# Altium PCB Dental Support V200.PcbDoc (part 2 of 2)
Units mm, origin at the board's own origin, x right, y up, seen from the top; angles counter-clockwise.
Board outline 100 x 62.5 mm, 2 copper layers (Top Layer, Bottom Layer); 64 components, 58 nets, 227 pads, 93 vias.
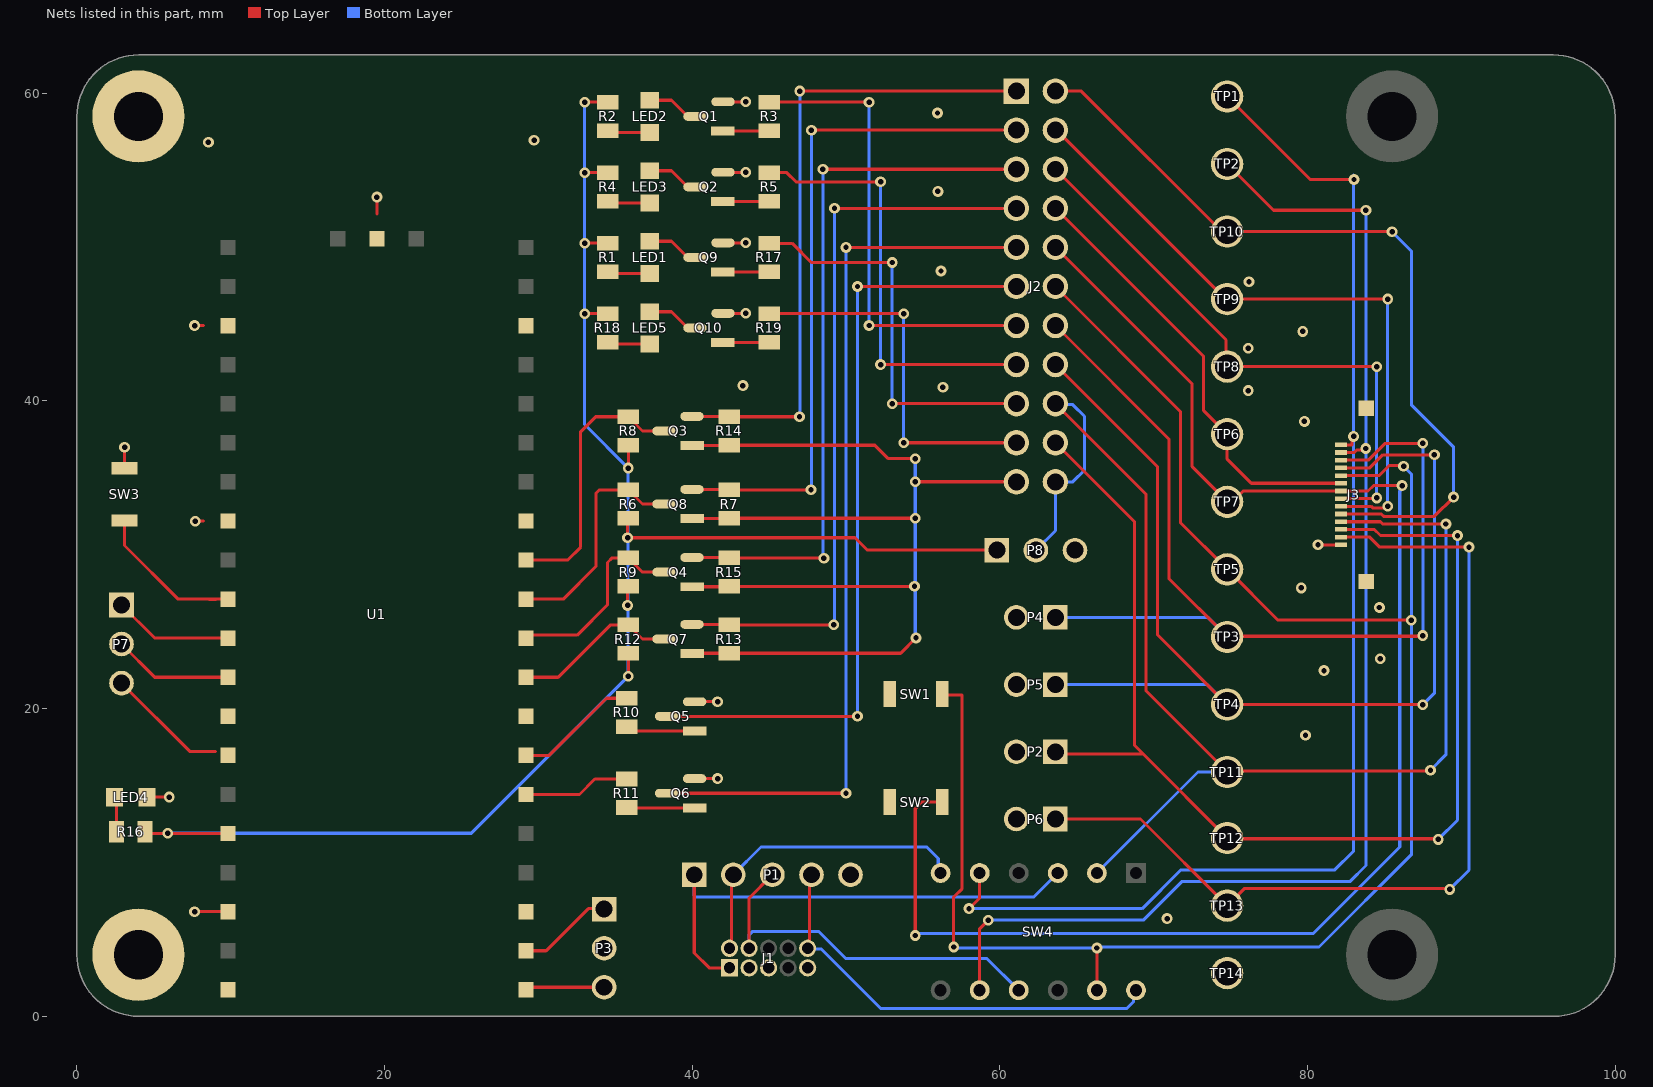
[diagram p2: the nets of this part, all layers, seen from the top]

## Part data
J1: library part CMP-02766-000059-1, "CONN HEADER VERT 10POS 1.27MM", Manufacturer=Samtec, Package=0, Temperature="-55°C to +125°C", Temperature Range High=+125°C, Temperature Range Low=-55°C, Automotive=No, Category=Conn, ComponentLink2Description=Datasheet, ComponentLink2URL=http://suddendocs.samtec.com/prints/shf-1xx-01-x-d-xx-xx-mkt.pdf, Conn Gender=Male, Conn Orientation=Vertical, Contact Material=Gold,Nickel, Device Class L1=Connectors, Device Class L2="Headers and Wire Housings", Device Class L3=unset, Digikey Description="CONN HEADER VERT 10POS 1.27MM", Footprint Url=http://suddendocs.samtec.com/prints/shf-1xx-01-x-d-xx-xx-footprint.pdf, Height=5.46mm, Lead Free=Yes, Manufacturer Part Number=SHF-105-01-L-D-TH, Mouser Description="Conn Shrouded Header (4 Sides) HDR 10 POS 1.27mm Solder ST Thru-Hole Tube", Number Of Contacts=10, Number of Rows=2, Octopart=https://octopart.com/shf-105-01-l-d-th-samtec-17904677, Pitch=1.27mm, RoHS=TRUE, Standoff Height=0.38mm
J2: library part CMP-1502-01108-1, "THT Vertical Pin Header WR-PHD, Pitch 2.54 mm, Dual Row, 22 pins", Contact Resistance=20mOhm, Manufacturer="Wurth Elektronik", Operating Temperature=-40to105degC, Rated Current=3A, Withstanding Voltage=500VAC, Working Voltage=250VAC, Datasheet URL=https://katalog.we-online.de/em/datasheet/6130xx21121.pdf, Gender=Male, Manufacturer URL=http://www.we-online.de, Mounting Technology=THT, Orientation=Vertical, Package Reference=61302221121, Packaging=Bag, Part Number=61302221121, Pin Number=22, Pitch=2.54mm, Publisher=WurthElektronik, Row Number=Dual
J3: library part CMP-1241-00360-1, "0.5 mm Pitch Easy-On(TM) Type FPC Connector, 2.0 mm Mated Height, Right Angle, ZIF, SMT, Top Contact, 14 Circuits, -20 to 85 degC, ELV and RoHS Compliant, Tape and Reel", Current (Max per Contact)=0.5A, Manufacturer=Molex, Voltage (Max)=50V, Circuits (Loaded)=14, ComponentLink1Description="Manufacturer URL", ComponentLink1URL=http://www.molex.com/molex/index.jsp, ComponentLink2Description=Datasheet, ComponentLink2URL=http://www.molex.com/webdocs/datasheets/pdf/en-us/0527451497_FFC_FPC_CONNECTORS.pdf, ComponentLink3Description="Package Specification", ComponentLink3URL=http://www.molex.com/pdm_docs/sd/527451497_sd.pdf, Contact Position=Top, Durability (mating cycles max)=20, Entry Angle="90degrees Angle", Mated Height=2.00mm, Material - Metal="Phosphor Bronze", Material - Plating Mating=Gold, Material - Plating Termination=Gold, Mounting Technology="Surface Mount", Number of Rows=1, Orientation="Right Angle", PackageDescription="14-Lead FPC Connector, Pitch 0.5 mm", PackageReference=52745-1497, PackageVersion="Rev. C, 07/2010", Packing="Tape and Reel", PartNumber=52745-1497, PCB Locator=No, PCB Retention=Yes, Pitch - Mating Interface=0.50mm, Polarized to PCB=Yes, RoHS=TRUE, Stackable=No
LED1 LED2 LED3 LED4 LED5: library part CMP-1426-00010-2, "LED RED CLEAR 0805 SMD", Case Code (Imperial)=0805, Case Code (Metric)=2012, Color=Red, Forward Current=30mA, Forward Voltage=1.9V, Lens Color=Colorless, Max Operating Temperature=85°C, Min Operating Temperature=-40°C, Package Quantity=1, Test Current=20mA, Case/Package=0805, Dominant Wavelength=630nm, Height=0.8mm, Length=2mm, Lens Size=1.25mm, Lens Style=Clear, Lens Transparency=Clear, Luminous Intensity=60mcd, Mount="Surface Mount", Packaging="Cut Tape", RoHS Compliant=Yes, Series=WL-SMCW, Viewing Angle=140°, Wavelength=630nm, Width=1.25mm
P1: library part CMP-1502-01068-1, "THT Vertical Pin Header WR-PHD, Pitch 2.54 mm, Single Row, 5 pins", Contact Resistance=20mOhm, Manufacturer="Wurth Elektronik", Operating Temperature=-40to105degC, Rated Current=3A, Withstanding Voltage=500VAC, Working Voltage=250VAC, Datasheet URL=https://katalog.we-online.de/em/datasheet/6130xx11121.pdf, Gender=Male, Manufacturer URL=http://www.we-online.de, Mounting Technology=THT, Orientation=Vertical, Package Reference=61300511121, Packaging=Bag, Part Number=61300511121, Pin Number=5, Pitch=2.54mm, Publisher=WurthElektronik, Row Number=Single
P2 P4 P5 P6: library part CMP-1712-00002-4, "THT Vertical Pin Header WR-PHD, Pitch 2.54 mm, Single Row, 2 pins", Contact Resistance=20mOhm, Manufacturer="Wurth Elektronik", Operating Temperature=-40to105degC, Rated Current=3A, Withstanding Voltage=500VAC, Working Voltage=250VAC, Datasheet URL=https://katalog.we-online.de/em/datasheet/6130xx11121.pdf, Gender=Male, Manufacturer URL=http://www.we-online.de, Mounting Technology=THT, Orientation=Vertical, Package Reference=61300211121, Packaging=Bag, Part Number=61300211121, Pin Number=2, Pitch=2.54mm, Publisher=WurthElektronik, Row Number=Single
P3 P7 P8: library part CMP-1502-01062-1, "THT Vertical Pin Header WR-PHD, Pitch 2.54 mm, Single Row, 3 pins", Contact Resistance=20mOhm, Manufacturer="Wurth Elektronik", Operating Temperature=-40to105degC, Rated Current=3A, Withstanding Voltage=500VAC, Working Voltage=250VAC, Datasheet URL=https://katalog.we-online.de/em/datasheet/6130xx11121.pdf, Gender=Male, Manufacturer URL=http://www.we-online.de, Mounting Technology=THT, Orientation=Vertical, Package Reference=61300311121, Packaging=Bag, Part Number=61300311121, Pin Number=3, Pitch=2.54mm, Publisher=WurthElektronik, Row Number=Single
Q1 Q2 Q3 Q4 Q5 Q6 Q7 Q8 Q9 Q10: library part CMP-07173-000101-1, "MOSFET N-CH 50V 220MA SOT-23", Case/Package=SOT-23, Continuous Drain Current (ID)=220mA, Drain to Source Breakdown Voltage=50V, Drain to Source Resistance=3.5R, Gate to Source Voltage (Vgs)=20V, Input Capacitance=27pF, Max Operating Temperature=150°C, Max Power Dissipation=360mW, Min Operating Temperature=-55°C, On-State Resistance=6R, Package Quantity=1, Threshold Voltage=1.3V, Contact Plating=Tin, Current Rating=220mA, Drain to Source Voltage (Vdss)=50V, Dual Supply Voltage=50V, Element Configuration=Single, Fall Time=9ns, Height=0.93mm, Lead Free="Lead Free", Length=2.92mm, Mount="Surface Mount", Nominal Vgs=1.3V, Number of Elements=1, Number of Pins=3, Packaging="Tape and Reel", Power Dissipation=360mW, Radiation Hardening=No, Rds On Max=3.5R, REACH SVHC="No SVHC", Rise Time=9ns, Termination=SMD/SMT, Turn-Off Delay Time=20ns, Turn-On Delay Time=2.5ns, Voltage Rating (DC)=50V, Weight=0.03g, Width=1.3mm
R1 R2 R4 R16 R18: library part ERJ-6ENF2001V, "RES SMD 2K OHM 1% 1/8W 0805", Digi-Key Part Number=P2.00KCCT-ND, Manufacturer="Panasonic Electronic Components", Operating Temperature="-55°C ~ 155°C", Package / Case="0805 (2012 Metric)", Power (Watts)="0.125W, 1/8W", Supplier Device Package=0805, Temperature Coefficient=±100ppm/°C, Tolerance=±1%, @ qty=1500, Composition="Thick Film", Datasheets=http://industrial.panasonic.com/www-cgi/jvcr13pz.cgi?E+PZ+3+AOA0002+ERJ6ENF2001V+7+WW, Factory Stock=0, Failure Rate=-, Features="Automotive AEC-Q200", Height - Seated (Max)="0.028\" (0.70mm)", Image=//media.digikey.com/Renders/Panasonic%20Renders/ERJ-0805%20Pkg.jpg, Minimum Quantity=1, Number of Terminations=2, Packaging="Cut Tape (CT)", Part Number=ERJ-6ENF2001V, Part Status=Active, Quantity Available=732688, Series=ERJ, Size / Dimension="0.079\" L x 0.049\" W (2.00mm x 1.25mm)", Unit Price (USD)=0.00729
R3 R5 R10 R11 R17 R19: library part ERJ-6ENF1000V, "RES SMD 100 OHM 1% 1/8W 0805", Digi-Key Part Number=P100CCT-ND, Manufacturer="Panasonic Electronic Components", Operating Temperature="-55°C ~ 155°C", Package / Case="0805 (2012 Metric)", Power (Watts)="0.125W, 1/8W", Supplier Device Package=0805, Temperature Coefficient=±100ppm/°C, Tolerance=±1%, @ qty=1500, Composition="Thick Film", Datasheets=http://industrial.panasonic.com/www-cgi/jvcr13pz.cgi?E+PZ+3+AOA0002+ERJ6ENF1000V+7+WW, Factory Stock=0, Failure Rate=-, Features="Automotive AEC-Q200", Height - Seated (Max)="0.028\" (0.70mm)", Image=//media.digikey.com/Renders/Panasonic%20Renders/ERJ-0805%20Pkg.jpg, Minimum Quantity=1, Number of Terminations=2, Packaging="Cut Tape (CT)", Part Number=ERJ-6ENF1000V, Part Status=Active, Quantity Available=288663, Series=ERJ, Size / Dimension="0.079\" L x 0.049\" W (2.00mm x 1.25mm)", Unit Price (USD)=0.00729
R6 R7 R8 R9 R12 R13 R14 R15: library part ERJ-6ENF1002V, "RES SMD 10K OHM 1% 1/8W 0805", Digi-Key Part Number=P10.0KCCT-ND, Manufacturer="Panasonic Electronic Components", Operating Temperature="-55°C ~ 155°C", Package / Case="0805 (2012 Metric)", Power (Watts)="0.125W, 1/8W", Supplier Device Package=0805, Temperature Coefficient=±100ppm/°C, Tolerance=±1%, @ qty=1500, Composition="Thick Film", Datasheets=http://industrial.panasonic.com/www-cgi/jvcr13pz.cgi?E+PZ+3+AOA0002+ERJ6ENF1002V+7+WW, Factory Stock=0, Failure Rate=-, Features="Automotive AEC-Q200", Height - Seated (Max)="0.028\" (0.70mm)", Image=//media.digikey.com/Renders/Panasonic%20Renders/ERJ-0805%20Pkg.jpg, Minimum Quantity=1, Number of Terminations=2, Packaging="Cut Tape (CT)", Part Number=ERJ-6ENF1002V, Part Status=Active, Quantity Available=3985614, Series=ERJ, Size / Dimension="0.079\" L x 0.049\" W (2.00mm x 1.25mm)", Unit Price (USD)=0.00729
SW1 SW2 SW3: library part CMP-2100-03586-2, "SWITCH TACTILE SPST-NO 0.05A 12V", Contact Current Rating=50mA, Contact Resistance=100mR, Insulation Resistance=100MR, Max Operating Temperature=70°C, Max Voltage Rating (DC)=12V, Min Operating Temperature=-25°C, Operating Force=1.5N, Package Quantity=1, Ratings="Dust Proof", Actuator Length=0.4mm, Actuator Type=Standard, Contact Material=Silver, Current Rating=50mA, Depth=2.5mm, Electrical Life=200000Cycles, Height=1.2mm, Illumination Type=Non-Illuminated, Lead Free="Lead Free", Length=4mm, Max Current Rating=50mA, Mechanical Life=200000Cycles, Mount="Surface Mount", Orientation=Straight, Packaging="Tape and Reel", Switch Function=Off-Mom, Switch Travel=0.15mm, Termination=SMD/SMT, Throw Configuration=SPST, Voltage Rating (DC)=12V, Weight=0.000776oz, Width=3mm
SW4: library part CMP-03405-000007-1, "Pushbutton Switch SPST-NO Keyswitch, Illuminated Through Hole", Actuator Color=Natural, Contact Current Rating=300mA, Contact Resistance=40mR, Flammability Rating="UL94 V-0", Max Operating Temperature=80°C, Max Voltage Rating (DC)=115V, Min Operating Temperature=-40°C, Actuator Material=Polyester, Actuator Type=SLIDE, Color=Natural, Contact Material="Copper Alloy", Contact Plating=Silver, Current Rating=300mA, Electrical Life=15000Cycles, Lead Free="Lead Free", Mount="Through Hole", Number of Poles=4, Number of Positions=2, Orientation=Vertical, Packaging=Rail/Tube, REACH SVHC="No SVHC", RoHS Compliant=Yes, Termination=Solder, Throw Configuration=4PDT, Voltage Rating (AC)=115V
TP1 TP2 TP3 TP4 TP5 TP6 TP7 TP8 TP9 TP10 TP11 TP12 TP13 TP14: library part CMP-1672-00003-4, "Test Point, Black, Through Hole, RoHS, Bulk", Colour=Black, Manufacturer=Keystone, Package Quantity=100, ComponentLink1Description="Manufacturer URL", ComponentLink1URL=http://www.keyelco.com/, ComponentLink2Description=Datasheet, ComponentLink2URL=http://www.keyelco.com/product-pdf.cfm?p=1320, Contact Material=Bronze, Contact Plating=Silver, DatasheetVersion="Rev. F, 12/2013", Height="8.12 mm", Mount="Through Hole", Mounting Technology="Through Hole", PackageDescription="1-Pin Through Hole Device, Dia 3.17 mm", PackageReference=5011, Packaging=Bulk, Pins=1, REACH SVHC="No SVHC", RoHSCompliant=true

## Free pads (board coordinates)
  round 6 hole 3.2: 2(4,4) 2(4,58.5) 2(85.5,4) 2(85.5,58.5)

## Via types
v1: diameter 0.7, hole 0.35, Top Layer to Bottom Layer, tented both sides, 93 vias

## Nets (pads, with @x,y where several pads share a name; then routed paths per layer and width w, separated by ;. In a path a pad name is that pad's centre, name@x,y a point inside that pad or via, vN(x,y) a via of type N, cw(c..) or ccw(c..) an arc to the next point about the centre after c; other vN are vias at no path point)
3V3: P8.1 R1.1 R2.1 R4.1 R6.2 R8.2 R9.2 R12.2 R16.1 R18.1 U1.36 | length 114.4
  Top Layer w0.2: R16.1@4.425,12 4.545,11.88 U1.36@9.82,11.88 U1.36@9.815,11.875 ; v1(33.01,45.675) R18.1@34.5,45.675 ; v1(33.01,50.258) R1.1@34.5,50.258 ; v1(33.01,54.842) R4.1@34.5,54.842 ; v1(33.01,59.425) R2.1@34.5,59.425 ; v1(35.8,26.71) R9.2@35.8,28.2 ; R6.2@35.8,32.6 v1(35.8,31.11) 50.59,31.11 51.399,30.301 P8.1@59.805,30.301 ; v1(35.85,22.11) R12.2@35.85,23.6 ; v1(35.85,35.635) R8.2@35.85,37.125
  Bottom Layer w0.2: v1(5.9,11.9) 25.64,11.9 v1(35.85,22.11) 35.825,22.135 35.825,31.085 v1(35.8,31.11) 35.825,31.135 35.825,35.61 v1(35.85,35.635) 33.01,38.475 v1(33.01,45.675) v1(33.01,50.258) v1(33.01,54.842) v1(33.01,59.425)
5V: U1.40
CS: J2.2 J3.5 TP10.1 | length 52.5
  Top Layer w0.2: J2.2@63.615,60.145 65.299,60.145 74.429,51.016 TP10.1@74.78,51.016 74.788,51.008 85.492,51.008 v1(85.5,51) ; J3.5@82.201,32.65 84.803,32.65 84.953,32.5 88.25,32.5 v1(89.5,33.75)
  Bottom Layer w0.2: v1(85.5,51) 86.75,49.75 86.75,39.75 89.5,37 v1(89.5,33.75)
GND: J1.3 J1.5 J1.9 J3.1 J3.MP1 J3.MP2 LED4.1 P1.5 P2.2 P3.2 P4.2 P5.2 P6.2 P8.3 pad.2@4,4 pad.2@4,58.5 Q1.2 Q2.2 Q5.2 Q6.2 Q9.2 Q10.2 SW1.1 SW2.1 SW3.1 TP14.1 U1.3 U1.8 U1.13 U1.18 U1.23 U1.28 U1.33 U1.38 U1.D2 | length 17.7
  Top Layer w0.2: SW3.1@3.1,35.625 v1(3.1,37) ; LED4.1@4.55,14.25 v1(6,14.25) ; v1@7.625,6.775 v1(7.65,6.8) U1.38@9.82,6.8 ; v1(7.65,44.9) 8.22,44.9 ; v1(7.7,32.175) 7.725,32.2 8.22,32.2 ; 19.51,52.15 v1@19.51,53.259 ; Q6.2@40.16,15.45 v1(41.65,15.45) ; Q5.2@40.16,20.45 v1(41.65,20.45) ; Q10.2@42,45.7 v1(43.49,45.7) ; Q9.2@42,50.283 v1(43.49,50.283) ; Q2.2@42,54.867 v1(43.49,54.867) ; Q1.2@42,59.45 v1(43.49,59.45) ; v1(80.687,30.65) J3.1@82.176,30.65 ; J3.1@82.189,30.663 J3.1@82.201,30.65
  other v1: 70.875,6.35 79.875,18.275 81.075,22.475 84.725,23.25 84.675,26.575 79.6,27.85 79.8,38.675 76.15,40.675 56.3,40.9 43.3,41 76.15,43.425 79.7,44.525 76.2,47.75 56.175,48.45 19.505,53.255 55.975,53.625 8.55,56.825 29.725,56.95 55.95,58.725
LED1: J2.13 R3.1 | length 30.4
  Top Layer w0.2: R3.1@45,59.425 v1(51.5,59.425) ; v1(51.5,44.905) J2.13@61.075,44.905
  Bottom Layer w0.2: v1(51.5,44.905) v1@51.5,59.25
LED2: J2.15 R5.1 | length 28.2
  Top Layer w0.2: R5.1@45,54.842 46.158,54.842 46.75,54.25 v1(52.25,54.25) ; v1(52.25,42.365) J2.15@61.075,42.365
  Bottom Layer w0.2: v1(52.25,42.365) v1(52.25,54.25)
LED3: J2.17 R17.1 | length 25.8
  Top Layer w0.2: R17.1@44.954,50.25 46.5,50.25 47.75,49 v1(53,49) ; v1(53,39.825) J2.17@61.075,39.825
  Bottom Layer w0.2: v1(53,39.825) v1(53,49)
LED4: J2.19 R19.1 | length 24.5
  Top Layer w0.2: R19.1@45.25,45.675 v1(53.75,45.675) ; v1(53.75,37.285) J2.19@61.075,37.285
  Bottom Layer w0.2: v1(53.75,37.285) v1(53.75,45.675) ; J2.19@60.86,37.5 J2.19@61.075,37.285
MISO: J2.4 J3.6 TP9.1 | length 42.8
  Top Layer w0.2: J2.4@63.615,57.605 63.707,57.605 74.688,46.624 TP9.1@74.78,46.624 v1(85.225,46.624) ; J3.6@82.176,33.15 84.141,33.15 84.241,33.05 84.987,33.05 85.087,33.15 v1(85.222,33.15)
  Bottom Layer w0.2: v1@85.2,33.128 v1(85.222,33.15) ; v1@85.2,33.15 v1@85.2,46.624
MOSI: J2.6 J3.7 TP8.1 | length 38
  Top Layer w0.2: J2.6@63.615,55.065 74.706,43.974 74.706,42.306 TP8.1@74.78,42.232 v1(84.5,42.232) ; J3.7@82.189,33.663 82.201,33.65 84.46,33.65 v1(84.51,33.7)
  Bottom Layer w0.2: v1@84.5,33.69 v1(84.51,33.7) ; v1@84.5,33.8 v1(84.5,42.232)
NetLED1_1: LED1.1 Q9.3 | length 3.4
  Top Layer w0.2: LED1.1@37.25,50.383 38.657,50.383 39.707,49.333 Q9.3@40.18,49.333
NetLED1_2: LED1.2 R1.2 | length 2.8
  Top Layer w0.2: R1.2@34.5,48.408 34.625,48.283 LED1.2@37.25,48.283
NetLED2_1: LED2.1 Q1.3 | length 3.4
  Top Layer w0.2: LED2.1@37.25,59.55 38.657,59.55 39.707,58.5 Q1.3@40.18,58.5
NetLED2_2: LED2.2 R2.2 | length 2.8
  Top Layer w0.2: R2.2@34.5,57.575 34.625,57.45 LED2.2@37.25,57.45
NetLED3_1: LED3.1 Q2.3 | length 3.4
  Top Layer w0.2: LED3.1@37.25,54.967 38.657,54.967 39.707,53.917 Q2.3@40.18,53.917
NetLED3_2: LED3.2 R4.2 | length 2.8
  Top Layer w0.2: R4.2@34.5,52.992 34.625,52.867 LED3.2@37.25,52.867
NetLED4_2: LED4.2 R16.2 | length 2.3
  Top Layer w0.2: LED4.2@2.45,14.25 2.575,14.125 R16.2@2.575,12
NetLED5_1: LED5.1 Q10.3 | length 3.4
  Top Layer w0.2: LED5.1@37.25,45.8 38.657,45.8 39.707,44.75 Q10.3@40.18,44.75
NetLED5_2: LED5.2 R18.2 | length 2.8
  Top Layer w0.2: R18.2@34.5,43.825 34.625,43.7 LED5.2@37.25,43.7
NetP3_1: P3.1 U1.2 | length 6.7
  Top Layer w0.2: U1.2@29.2,4.26 30.51,4.26 33.25,7 P3.1@34.75,7
NetP3_3: P3.3 U1.1 | length 5.1
  Top Layer w0.2: U1.1@29.2,1.72 29.365,1.885 P3.3@34.275,1.885
NetP7_1: P7.1 U1.31 | length 7.8
  Top Layer w0.2: P7.1@2.9,26.74 5.04,24.6 U1.31@9.82,24.6
NetP7_2: P7.2 U1.32 | length 7.8
  Top Layer w0.2: P7.2@2.9,24.2 5.06,22.04 U1.32@9.82,22.04
NetP7_3: P7.3 U1.34 | length 7.9
  Top Layer w0.2: P7.3@2.9,21.66 7.36,17.2 9,17.2
NetQ1_1: Q1.1 R3.2 | length 3.1
  Top Layer w0.2: Q1.1@42,57.55 R3.2@44.934,57.55 ; R3.2@45,57.484 R3.2@44.934,57.55 ; R3.2@45,57.575 44.975,57.55 R3.2@44.934,57.55
NetQ2_1: Q2.1 R5.2 | length 3
  Top Layer w0.2: Q2.1@42,52.967 44.975,52.967 R5.2@45,52.992
NetQ5_1: Q5.1 R10.2 | length 4.5
  Top Layer w0.2: R10.2@35.776,18.585 35.75,18.559 35.759,18.55 Q5.1@40.16,18.55
NetQ6_1: Q6.1 R11.2 | length 4.4
  Top Layer w0.2: R11.2@35.75,13.484 R11.2@35.756,13.49 ; R11.2@35.75,13.575 35.775,13.55 Q6.1@40.16,13.55
NetQ9_1: Q9.1 R17.2 | length 3
  Top Layer w0.2: Q9.1@42,48.383 44.975,48.383 R17.2@45,48.408
NetQ10_1: Q10.1 R19.2 | length 3
  Top Layer w0.2: Q10.1@42,43.8 44.975,43.8 R19.2@45,43.825
NetSW3_2: SW3.2 U1.30 | length 10.2
  Top Layer w0.2: SW3.2@3.1,32.225 3.1,30.6 6.58,27.12 U1.30@9.82,27.12 ; 8.575,27.1 9.025,27.1
P+: J3.2 P6.1 TP13.1 | length 59.8
  Top Layer w0.2: P6.1@63.615,12.825 69.147,12.825 TP13.1@74.78,7.192 75.888,8.3 89.2,8.3 v1(89.25,8.25) ; J3.2@82.176,31.15 84.05,31.15 84.7,30.5 v1(90.5,30.5)
  Bottom Layer w0.2: v1(89.25,8.25) 90.5,9.5 v1(90.5,30.5)
P_RESET: R10.1 U1.7 | length 8.1
  Top Layer w0.2: U1.7@29.2,16.96 30.71,16.96 34.425,20.675 R10.1@35.75,20.675
P_WAKE_UP: R11.1 U1.6 | length 7.2
  Top Layer w0.2: U1.6@29.2,14.42 32.67,14.42 33.675,15.425 R11.1@35.659,15.425 ; R11.1@35.588,15.354 R11.1@35.659,15.425 ; R11.1@35.75,15.425 R11.1@35.659,15.425 ; R11.1@35.75,15.516 R11.1@35.659,15.425
PI_CS: Q3.3 R8.1 U1.12 | length 17.6
  Top Layer w0.2: U1.12@29.2,29.66 31.91,29.66 32.75,30.5 32.75,38 33.725,38.975 R8.1@35.85,38.975 36.775,38.05 Q3.3@38.172,38.05
PI_MISO: Q8.3 R6.1 U1.11 | length 15.1
  Top Layer w0.2: U1.11@29.2,27.12 31.62,27.12 33.75,29.25 33.75,34 33.975,34.225 R6.1@35.85,34.225 36.775,33.3 Q8.3@38.172,33.3
PI_MOSI: Q4.3 R9.1 U1.10 | length 13.1
  Top Layer w0.2: U1.10@29.2,24.58 29.395,24.775 32.525,24.775 34.5,26.75 34.5,29.5 34.8,29.8 R9.1@35.85,29.8 36.775,28.875 Q4.3@38.172,28.875
PI_SCLK: Q7.3 R12.1 U1.9 | length 10.8
  Top Layer w0.2: U1.9@29.2,22.04 31.29,22.04 34.7,25.45 R12.1@35.85,25.45 36.775,24.525 Q7.3@38.172,24.525
RESET: J2.12 J3.10 SW1.2 SW4.11 TP5.1 | length 119
  Top Layer w0.2: SW1.2@56.375,20.9 57.55,20.9 57.55,8.3 57,7.75 v1(57,4.5) ; J2.12@63.615,47.445 71.75,39.31 71.75,32.085 TP5.1@74.78,29.055 78.085,25.75 v1(86.75,25.75) ; SW4.11@66.31,1.69 v1(66.31,4.44) ; J3.10@82.176,35.15 84.65,35.15 85.3,35.8 86.2,35.8 v1(86.25,35.75)
  Bottom Layer w0.2: v1@57,4.44 v1(66.31,4.44) ; v1@66.31,4.383 66.427,4.5 80.75,4.5 86.75,10.5 86.75,35.25 v1(86.25,35.75)
S_CS: J2.1 Q3.2 R14.1 | length 42.2
  Top Layer w0.2: Q3.2@39.992,39 42.375,39 R14.1@42.4,38.975 v1(46.975,38.975) ; v1(47,60.145) J2.1@61.075,60.145
  Bottom Layer w0.2: v1@47,38.975 v1(47,60.145)
S_MISO: J2.3 Q8.2 R7.1 | length 44.4
  Top Layer w0.2: Q8.2@39.992,34.25 42.375,34.25 R7.1@42.4,34.225 v1(47.725,34.225) ; v1(47.75,57.605) J2.3@61.075,57.605
  Bottom Layer w0.2: v1@47.75,34.225 v1(47.75,57.605)
S_MOSI: J2.5 Q4.2 R15.1 | length 46.4
  Top Layer w0.2: Q4.2@39.992,29.825 42.375,29.825 R15.1@42.4,29.8 v1@48.5,29.8 ; v1(48.5,55.065) J2.5@61.075,55.065
  Bottom Layer w0.2: v1@48.5,29.784 v1(48.5,55.065)
  other v1: 48.562,29.784
S_RESET: J2.11 Q5.3 | length 50.7
  Top Layer w0.2: Q5.3@38.34,19.5 v1(50.75,19.5) ; v1(50.75,47.445) J2.11@61.075,47.445
  Bottom Layer w0.2: v1(50.75,19.5) v1(50.75,47.445)
S_SCLK: J2.7 Q7.2 R13.1 | length 48.1
  Top Layer w0.2: Q7.2@39.992,25.475 42.375,25.475 R13.1@42.4,25.45 v1(49.2,25.45) ; v1(49.25,52.525) J2.7@61.075,52.525
  Bottom Layer w0.2: v1@49.25,25.45 v1(49.25,52.525)
S_VDDBAT: J2.21 Q3.1 Q4.1 Q7.1 Q8.1 R7.2 R13.2 R14.2 R15.2 | length 76.7
  Top Layer w0.2: Q4.1@39.992,27.925 42.375,27.925 R15.2@42.4,27.95 v1(54.45,27.95) ; Q8.1@39.992,32.35 42.375,32.35 R7.2@42.4,32.375 v1(54.5,32.375) ; Q3.1@39.992,37.1 42.375,37.1 R14.2@42.4,37.125 51.875,37.125 52.75,36.25 v1(54.5,36.25) ; Q7.1@40.4,23.6 53.55,23.6 v1(54.55,24.6) ; v1(54.5,34.75) 54.503,34.747 61.072,34.747 J2.21@61.075,34.745
  Bottom Layer w0.2: v1(54.5,36.25) 54.5,35.814 v1(54.5,34.75) v1(54.5,32.375) 54.5,24.65 v1(54.55,24.6)
S_WAKE_UP: J2.9 Q6.3 | length 58.2
  Top Layer w0.2: Q6.3@38.34,14.5 v1(50,14.5) ; v1(50,49.985) J2.9@61.075,49.985
  Bottom Layer w0.2: v1(50,14.5) v1(50,49.985)
SCLK: J2.8 J3.9 TP6.1 | length 29
  Top Layer w0.2: J2.8@63.615,52.525 73.25,42.89 73.25,39.369 TP6.1@74.78,37.839 74.78,36.22 76.35,34.65 J3.9@82.176,34.65
SW_RESET: J1.10 P1.4 SW4.12 | length 28.7
  Top Layer w0.2: J1.10@47.51,4.42 47.632,4.542 47.632,9.077 P1.4@47.755,9.2
  Bottom Layer w0.2: J1.10@47.51,4.42 47.55,4.38 48.37,4.38 52.25,0.5 68.25,0.5 68.677,0.927 68.677,1.517 SW4.12@68.85,1.69
SW_SWCLK: J1.4 P1.3 SW4.9 | length 25.5
  Top Layer w0.2: J1.4@43.7,4.42 43.7,7.685 P1.3@45.215,9.2
  Bottom Layer w0.2: J1.4@43.7,4.42 43.7,5.3 43.9,5.5 48.25,5.5 50,3.75 59.17,3.75 SW4.9@61.23,1.69
SW_SWDIO: J1.2 P1.2 SW4.6 | length 20.3
  Top Layer w0.2: J1.2@42.43,4.42 42.552,4.542 42.552,9.077 P1.2@42.675,9.2
  Bottom Layer w0.2: P1.2@42.675,9.2 44.475,11 55.25,11 55.995,10.255 55.995,9.465 SW4.6@56.15,9.31
SW_VDDBAT: J1.1 P1.1 SW4.3 | length 33.4
  Top Layer w0.2: P1.1@40.135,9.2 40.135,4.115 41.1,3.15 J1.1@42.43,3.15
  Bottom Layer w0.2: P1.1@40.135,9.2 40.135,7.867 40.252,7.75 62.21,7.75 SW4.3@63.77,9.31
SWCLK: J3.13 SW4.8 TP2.1 | length 85.4
  Top Layer w0.2: SW4.8@58.69,1.69 58.69,5.69 v1(59.25,6.25) ; TP2.1@74.78,55.408 77.788,52.4 v1(83.8,52.4) ; J3.13@82.176,36.65 83.04,36.65 83.204,36.814 83.695,36.814 v1(83.79,36.91)
  Bottom Layer w0.2: v1(59.25,6.25) 69.325,6.25 71.825,8.75 82.75,8.75 83.8,9.8 v1@83.8,36.9 ; v1(83.79,36.91) v1@83.8,36.9 ; v1(83.8,52.4) v1@83.8,36.9
SWDIO: J3.14 SW4.5 TP1.1 | length 84.9
  Top Layer w0.2: v1(58,7) 58.69,7.69 SW4.5@58.69,9.31 ; TP1.1@74.78,59.8 80.18,54.4 v1(83.025,54.4) ; J3.14@82.176,37.15 82.883,37.15 82.904,37.171 82.904,37.604 v1(83,37.7)
  Bottom Layer w0.2: v1(58,7) 69.25,7 71.75,9.5 81.75,9.5 83,10.75 v1(83,37.7) v1@83,54.7
VACC: J2.14 J3.12 P4.1 TP3.1 | length 67.6
  Top Layer w0.2: J2.14@63.615,44.905 71,37.52 71,28.443 TP3.1@74.78,24.663 74.824,24.706 87.456,24.706 v1(87.5,24.75) ; J3.12@82.176,36.15 83.95,36.15 85.05,37.25 v1(87.5,37.25)
  Bottom Layer w0.2: P4.1@63.615,25.932 73.511,25.932 TP3.1@74.78,24.663 ; v1(87.5,24.75) v1(87.5,37.25)
VDDBAT: J2.18 J2.22 J3.4 P8.2 SW4.2 TP11.1 | length 89.2
  Top Layer w0.2: J2.18@63.615,39.825 69.5,33.94 69.5,21.159 TP11.1@74.78,15.879 74.841,15.939 87.939,15.939 v1(88,16) ; J3.4@82.176,32.15 84.737,32.15 84.887,32 v1(89,32)
  Bottom Layer w0.2: P8.2@62.345,30.301 63.615,31.571 J2.22@63.615,34.745 64.745,34.745 65.5,35.5 65.5,39 64.74,39.76 63.68,39.76 J2.18@63.615,39.825 ; SW4.2@66.31,9.31 72.879,15.879 TP11.1@74.78,15.879 ; v1(88,16) 89,17 v1(89,32)
VMEM: J2.16 J3.11 P5.1 TP4.1 | length 74.1
  Top Layer w0.2: J2.16@63.615,42.365 70.25,35.73 70.25,24.801 74.79,20.26 87.49,20.26 v1(87.5,20.25) ; J3.11@82.176,35.65 84.05,35.65 84.9,36.5 v1(88.25,36.5)
  Bottom Layer w0.2: P5.1@63.615,21.563 73.488,21.563 TP4.1@74.78,20.271 ; v1(87.5,20.25) 88.25,21 v1(88.25,36.5)
VSTORE: J2.20 J3.3 P2.1 TP12.1 | length 77.8
  Top Layer w0.2: P2.1@63.615,17.194 63.752,17.057 69.307,17.057 ; J2.20@63.615,37.285 68.75,32.15 68.75,17.614 69.307,17.057 ; J3.3@82.201,31.65 84.35,31.65 84.75,31.25 v1(89.75,31.25) ; v1(88.5,11.5) 88.458,11.542 74.822,11.542 69.307,17.057
  Bottom Layer w0.2: v1(88.5,11.5) 89.75,12.75 v1(89.75,31.25)
WAKE_UP: J2.10 J3.8 SW2.2 TP7.1 | length 100.5
  Top Layer w0.2: v1(54.5,5.25) 54.5,13.5 54.925,13.925 SW2.2@56.25,13.925 ; J2.10@63.615,49.985 72.5,41.1 72.5,35.727 TP7.1@74.78,33.447 75.118,33.447 75.821,34.15 J3.8@82.176,34.15 83.941,34.15 84.291,34.5 v1(86.15,34.5)
  Bottom Layer w0.2: v1@54.5,5.384 80.384,5.384 86,11 86,34.133 86.054,34.187 86.054,34.404 v1(86.15,34.5)
pads on no net: J1.6 J1.7 J1.8 SW4.1 SW4.4 SW4.7 SW4.10 U1.4 U1.5 U1.14 U1.15 U1.16 U1.17 U1.19 U1.20 U1.21 U1.22 U1.24 U1.25 U1.26 U1.27 U1.29 U1.35 U1.37 U1.39 U1.D1 U1.D3

## Polygon pours and split planes (outlines as drawn)
GND on Top Layer "GND_L01_P001" (solid, remove dead copper, pour order 1): 0,0 0,62.5 100,62.5 100,0
GND on Bottom Layer "GND_L02_P002" (solid, remove dead copper, pour order 2): 0,0 0,62.5 100,62.5 100,0

## Keep-outs
Top Layer:
  region: 100,62.5 78.125,62.5 78.125,51.338 ccw(c82.865,51.338) 79.513,47.987 84.397,43.103 cw(c80.83,39.535) 85.875,39.535 85.875,23.892 cw(c82.272,23.892) 84.82,21.345 78.846,15.371 ccw(c80.587,13.63) 78.125,13.63 78.125,-0.25 100,-0.25
Bottom Layer:
  region: 100,62.5 78.125,62.5 78.125,51.338 ccw(c82.865,51.338) 79.513,47.987 84.397,43.103 cw(c80.83,39.535) 85.875,39.535 85.875,23.892 cw(c82.272,23.892) 84.82,21.345 78.846,15.371 ccw(c80.587,13.63) 78.125,13.63 78.125,-0.25 100,-0.25

## Other copper
Top Layer:
  pour cut-out: 11.55,60.9 11.55,56.05 ccw(c12.025,56.05) 12.025,55.575 24.992,55.575 ccw(c24.992,56.308) 25.725,56.308 25.725,60.875 ccw(c25.275,60.875) 25.275,61.325 11.975,61.325 ccw(c11.975,60.9)
  region: 12.66,57.101 12.66,58.134 12.651,58.134 12.651,58.144 11.85,58.144 11.85,58.153 11.841,58.153 11.841,58.172 11.85,58.172 11.85,58.628 11.841,58.628 11.841,58.637 11.85,58.637 11.85,58.656 14.196,58.656 14.196,58.144 13.395,58.144 13.395,58.134 13.386,58.134 13.386,56.04 12.66,56.04 12.66,57.092
  region: 25.01,58.32 25.01,57.864 25.02,57.864 25.02,57.855 25.438,57.855 25.438,57.622 25.429,57.622 25.429,57.613 25.01,57.613 25.01,56.413 25.02,56.413 25.02,56.366 25.029,56.366 25.029,56.347 25.038,56.347 25.038,56.338 25.047,56.338 25.047,56.32 25.057,56.32 25.057,56.31 25.066,56.31 25.066,56.301 25.085,56.301 25.085,56.292 25.094,56.292 25.094,56.282 25.113,56.282 25.113,56.273 25.131,56.273 25.131,56.264 25.168,56.264 25.168,56.254 25.224,56.254 25.224,56.245 25.252,56.245 25.252,56.254 25.345,56.254 25.345,56.264 25.392,56.264 25.392,56.273 25.42,56.273 25.42,56.003 25.382,56.003 25.382,55.994 25.308,55.994 25.308,55.984 25.047,55.984 25.047,55.994 24.973,55.994 24.973,56.003 24.936,56.003 24.936,56.012 24.899,56.012 24.899,56.022 24.871,56.022 24.871,56.031 24.852,56.031 24.852,56.04 24.833,56.04 24.833,56.05 24.815,56.05 24.815,56.059 24.796,56.059 24.796,56.068 24.787,56.068 24.787,56.078 24.768,56.078 24.768,56.087 24.759,56.087 24.759,56.096 24.75,56.096 24.75,56.105 24.74,56.105 24.74,56.124 24.731,56.124 24.731,56.133 24.722,56.133 24.722,56.152 24.712,56.152 24.712,56.161 24.703,56.161 24.703,56.18 24.694,56.18 24.694,56.208 24.684,56.208 24.684,56.236 24.675,56.236 24.675,56.292 24.666,56.292 24.666,57.604 24.657,57.604 24.657,57.613 24.349,57.613 24.349,57.855 24.657,57.855 24.657,57.864 24.666,57.864 24.666,58.246 24.684,58.246 24.684,58.255 24.712,58.255 24.712,58.265 24.74,58.265 24.74,58.274 24.768,58.274 24.768,58.283 24.805,58.283 24.805,58.293 24.833,58.293 24.833,58.302 24.861,58.302 24.861,58.311 24.889,58.311 24.889,58.32 24.917,58.32 24.917,58.33 24.954,58.33 24.954,58.339 24.982,58.339 24.982,58.348 25.01,58.348 25.01,58.33
  region: 495 vertices and 1 holes, not listed, extent 20.245,55.984 21.892,57.911
  region: 22.311,58.516 22.311,58.656 22.656,58.656 22.656,56.04 22.311,56.04 22.311,58.507
  region: 301 vertices and 1 holes, not listed, extent 17.77,56.04 19.91,58.656
  region net GND: 1200 vertices and 0 holes, not listed, extent 12.558,58.814 15.033,61.261
  region: 396 vertices and 0 holes, not listed, extent 14.549,55.994 17.034,58.646
  region: 23.382,56.189 23.382,57.613 23.037,57.613 23.037,57.855 23.372,57.855 23.372,57.864 23.382,57.864 23.382,58.227 23.391,58.227 23.391,58.302 23.4,58.302 23.4,58.348 23.409,58.348 23.409,58.386 23.419,58.386 23.419,58.404 23.428,58.404 23.428,58.432 23.437,58.432 23.437,58.451 23.447,58.451 23.447,58.46 23.456,58.46 23.456,58.479 23.465,58.479 23.465,58.497 23.475,58.497 23.475,58.507 23.484,58.507 23.484,58.525 23.493,58.525 23.493,58.535 23.503,58.535 23.503,58.544 23.512,58.544 23.512,58.553 23.521,58.553 23.521,58.562 23.53,58.562 23.53,58.572 23.54,58.572 23.54,58.581 23.558,58.581 23.558,58.59 23.568,58.59 23.568,58.6 23.577,58.6 23.577,58.609 23.596,58.609 23.596,58.618 23.605,58.618 23.605,58.628 23.623,58.628 23.623,58.637 23.642,58.637 23.642,58.646 23.661,58.646 23.661,58.656 23.689,58.656 23.689,58.665 23.707,58.665 23.707,58.674 23.735,58.674 23.735,58.683 23.772,58.683 23.772,58.693 23.81,58.693 23.81,58.702 24.089,58.702 24.089,58.693 24.126,58.693 24.126,58.683 24.173,58.683 24.173,58.674 24.201,58.674 24.201,58.665 24.21,58.665 24.21,58.395 24.201,58.395 24.201,58.386 24.098,58.386 24.098,58.395 23.959,58.395 23.959,58.386 23.893,58.386 23.893,58.376 23.856,58.376 23.856,58.367 23.838,58.367 23.838,58.358 23.819,58.358 23.819,58.348 23.8,58.348 23.8,58.339 23.791,58.339 23.791,58.33 23.782,58.33 23.782,58.311 23.772,58.311 23.772,58.302 23.763,58.302 23.763,58.283 23.754,58.283 23.754,58.255 23.744,58.255 23.744,58.218 23.735,58.218 23.735,57.864 23.744,57.864 23.744,57.855 24.154,57.855 24.154,57.613 23.735,57.613 23.735,56.04 23.382,56.04 23.382,56.18

## Silkscreen, mask and mechanical layers (free items; w line width, h text height)
Top Overlay:
  drawing of 91 lines, arcs and shapes, not listed
  text "CS" at 66.342,59.375 h0.8 r90
  text "SWDIO" at 78.175,57.607 h1.25 r90
  text "MISO" at 66.342,56.625 h0.8 r90
  text "MOSI" at 66.342,54.225 h0.8 r90
  text "SWCLK" at 78.175,53.215 h1.25 r90
  text "SCLK" at 66.342,51.7 h0.8 r90
  text "-SENSOR" at 95.325,49.959 h2 r90
  text "V200" at 96.425,49.934 h1 r90
  text "WAKE" at 66.342,48.875 h0.8 r90
  text "CS" at 78.175,48.823 h1.25 r90
  text "RESET" at 66.342,45.85 h0.8 r90
  text "MISO" at 78.175,44.423 h1.25 r90
  text "VACC" at 66.342,43.463 h0.8 r90
  text "VMEM" at 66.342,40.923 h0.8 r90
  text "e" at 1.25,40.025 h8
  text "MOSI" at 78.175,40.031 h1.25 r90
  text "VDD" at 66.342,38.383 h0.8 r90
  text "STORE" at 66.342,35.821 h0.8 r90
  text "SCLK" at 78.175,35.639 h1.25 r90
  text "VDD" at 66.342,33.303 h0.8 r90
  text "WAKE" at 78.175,31.255 h1.25 r90
  text "3V3 VDD GND" at 58.325,27.65 h1.25
  text "RESET" at 78.175,26.863 h1.25 r90
  text "ACC" at 66.342,24.49 h1 r90
  text "RESET" at 51.825,22.725 h1.25
  text "VACC" at 78.175,22.47 h1.25 r90
  text "MEM" at 66.342,20.121 h1 r90
  text "VMEM" at 78.175,18.078 h1.25 r90
  text "WAKE UP" at 51.825,15.7 h1.25
  text "3V3" at 2.038,15.5 h1.25
  text "STORE" at 66.342,15.475 h1 r90
  text "VDD" at 78.175,13.678 h1.25 r90
  text "P+" at 66.342,11.383 h1 r90
  text "STORE" at 78.175,9.286 h1.25 r90
  text "P+" at 78.175,4.992 h1.25 r90
  text "SWD" at 38.5,1.075 h1.25 r90
  text "GND" at 78.175,0.468 h1.25 r90
Top Solder:
  region: 11.55,56.049 11.55,60.9 cw(c11.975,60.9) 11.975,61.325 25.275,61.325 cw(c25.275,60.875) 25.725,60.875 25.725,56.326 cw(c24.998,56.325) 24.999,55.599 12.024,55.576 cw(c12.024,56.049)
Mechanical 1:
  lines w0.5: 0,58.4 0,4.013 ccw(c4.013,4.013) 4.013,0 96.019,0 ccw(c96.019,3.981) 100,3.981 100,58.487 ccw(c95.987,58.487) 95.987,62.5 4.2,62.5 ; 0,58.487 cw(c4.013,58.487) 4.013,62.5 ; 82.1,62.5 95.4,62.5
Board Outline:
  lines w0.5: 0,58.4 0,4.013 ccw(c4.013,4.013) 4.013,0 96.019,0 ccw(c96.019,3.981) 100,3.981 100,58.487 ccw(c95.987,58.487) 95.987,62.5 4.2,62.5 ; 0,58.487 cw(c4.013,58.487) 4.013,62.5 ; 82.1,62.5 95.4,62.5
Drill Drawing:
  circle w0.254: c106.156,33.89 r0.847
  lines w0.254: 105.309,36.854 107.003,36.854 107.003,38.547 105.309,38.547 105.309,36.854 ; 105.309,41.087 105.733,41.087 106.156,40.664 106.579,41.087 107.003,41.087 106.579,41.51 107.003,41.933 106.579,41.933 106.156,42.357 105.733,41.933 105.309,41.933 105.733,41.51 105.309,41.087 ; 105.309,46.167 107.003,46.167 106.156,44.474 105.309,46.167 ; 105.309,48.284 106.156,48.707 107.003,48.284 106.579,49.13 107.003,49.977 106.156,49.553 105.309,49.977 105.733,49.13 105.309,48.284 ; 105.309,52.517 105.733,52.517 105.733,52.094 106.579,52.094 106.579,52.517 107.003,52.517 107.003,53.363 106.579,53.363 106.579,53.787 105.733,53.787 105.733,53.363 105.309,53.363 105.309,52.517
  lines w0.381: 103.791,31.901 267.119,31.901 ; 103.791,54.761 267.119,54.761 ; 117.783,28.091 117.783,58.571 ; 132.765,28.091 132.765,58.571 ; 162.474,28.091 162.474,58.571 ; 175.323,28.091 175.323,58.571 ; 193.962,28.091 193.962,58.571 ; 232.05,28.091 232.05,58.571 ; 247.033,28.091 247.033,58.571 ; 103.791,28.091 267.119,28.091 267.119,58.571 103.791,58.571 103.791,28.091
  text "Symbol" at 106.077,55.904 h1.83
  text "Count" at 118.926,55.904 h1.83
  text "Hole Size" at 133.908,55.904 h1.83
  text "Plated" at 163.617,55.904 h1.83
  text "Hole Type" at 176.466,55.904 h1.83
  text "Drill Layer Pair" at 195.105,55.904 h1.83
  text "Via/Pad" at 233.193,55.904 h1.83
  text "Pad Shape" at 248.176,55.904 h1.83
  text "4" at 118.926,52.094 h1.52
  text "3,200mm (125,98mil)" at 133.908,52.094 h1.52
  text "PTH" at 163.617,52.094 h1.52
  text "Round" at 176.466,52.094 h1.52
  text "Top Layer - Bottom Layer" at 195.105,52.094 h1.52
  text "Pad" at 233.193,52.094 h1.52
  text "Rounded" at 248.176,52.094 h1.52
  text "10" at 118.926,48.284 h1.52
  text "0,740mm (29,13mil)" at 133.908,48.284 h1.52
  text "PTH" at 163.617,48.284 h1.52
  text "Round" at 176.466,48.284 h1.52
  text "Top Layer - Bottom Layer" at 195.105,48.284 h1.52
  text "Pad" at 233.193,48.284 h1.52
  text "(Mixed)" at 248.176,48.284 h1.52
  text "12" at 118.926,44.474 h1.52
  text "0,790mm (31,10mil)" at 133.908,44.474 h1.52
  text "PTH" at 163.617,44.474 h1.52
  text "Round" at 176.466,44.474 h1.52
  text "Top Layer - Bottom Layer" at 195.105,44.474 h1.52
  text "Pad" at 233.193,44.474 h1.52
  text "(Mixed)" at 248.176,44.474 h1.52
  text "14" at 118.926,40.664 h1.52
  text "1,600mm (62,99mil)" at 133.908,40.664 h1.52
  text "PTH" at 163.617,40.664 h1.52
  text "Round" at 176.466,40.664 h1.52
  text "Top Layer - Bottom Layer" at 195.105,40.664 h1.52
  text "Pad" at 233.193,40.664 h1.52
  text "Rounded" at 248.176,40.664 h1.52
  text "44" at 118.926,36.854 h1.52
  text "1,100mm (43,31mil)" at 133.908,36.854 h1.52
  text "PTH" at 163.617,36.854 h1.52
  text "Round" at 176.466,36.854 h1.52
  text "Top Layer - Bottom Layer" at 195.105,36.854 h1.52
  text "Pad" at 233.193,36.854 h1.52
  text "(Mixed)" at 248.176,36.854 h1.52
  text "93" at 118.926,33.044 h1.52
  text "0,350mm (13,78mil)" at 133.908,33.044 h1.52
  text "PTH" at 163.617,33.044 h1.52
  text "Round" at 176.466,33.044 h1.52
  text "Top Layer - Bottom Layer" at 195.105,33.044 h1.52
  text "Via" at 233.193,33.044 h1.52
  text "Rounded" at 248.176,33.044 h1.52
  text "177 Total" at 118.926,29.234 h1.52